# Altium PCB PCB (aXe-TP430s in Konflikt stehende Kopie 2017-02-18).PcbDoc (part 1 of 2)
Units mil, origin at the board's own origin, x right, y up, seen from the top; angles counter-clockwise.
Board outline 4576.96 x 3710.82 mil, 4 copper layers (GTL, GL2, GL3, GBL), stack 60.753 mil thick; 165 components, 125 nets, 609 pads, 203 vias.
Unrouted connection lines stored in the file: 36.
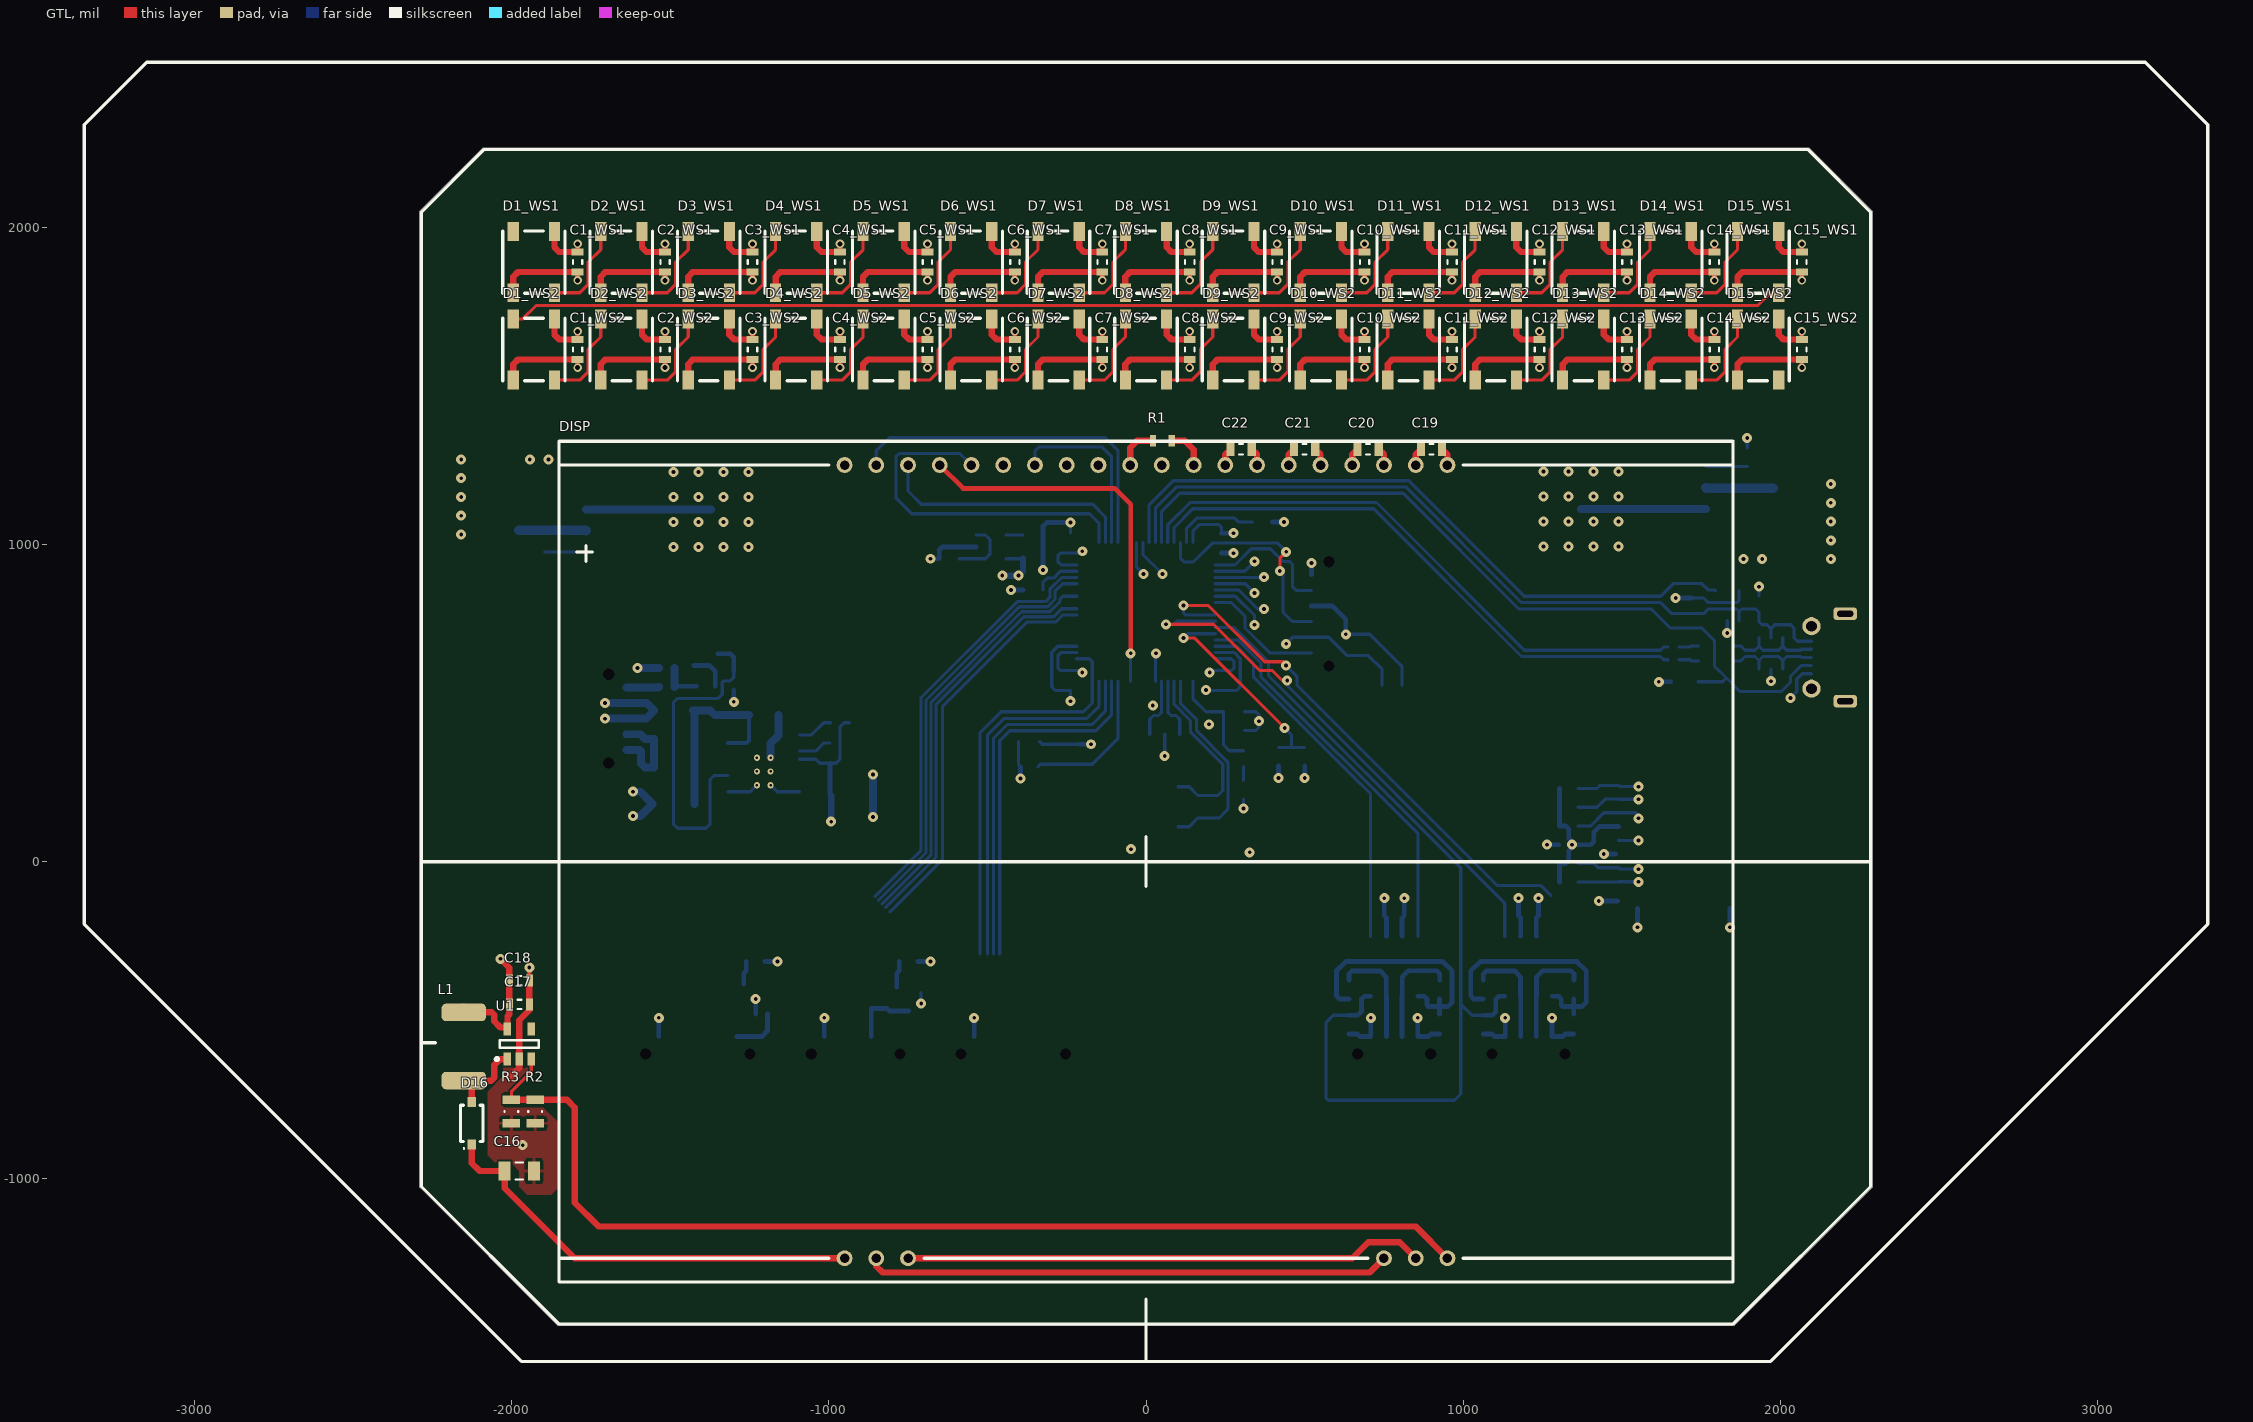
[diagram p0: GTL view]
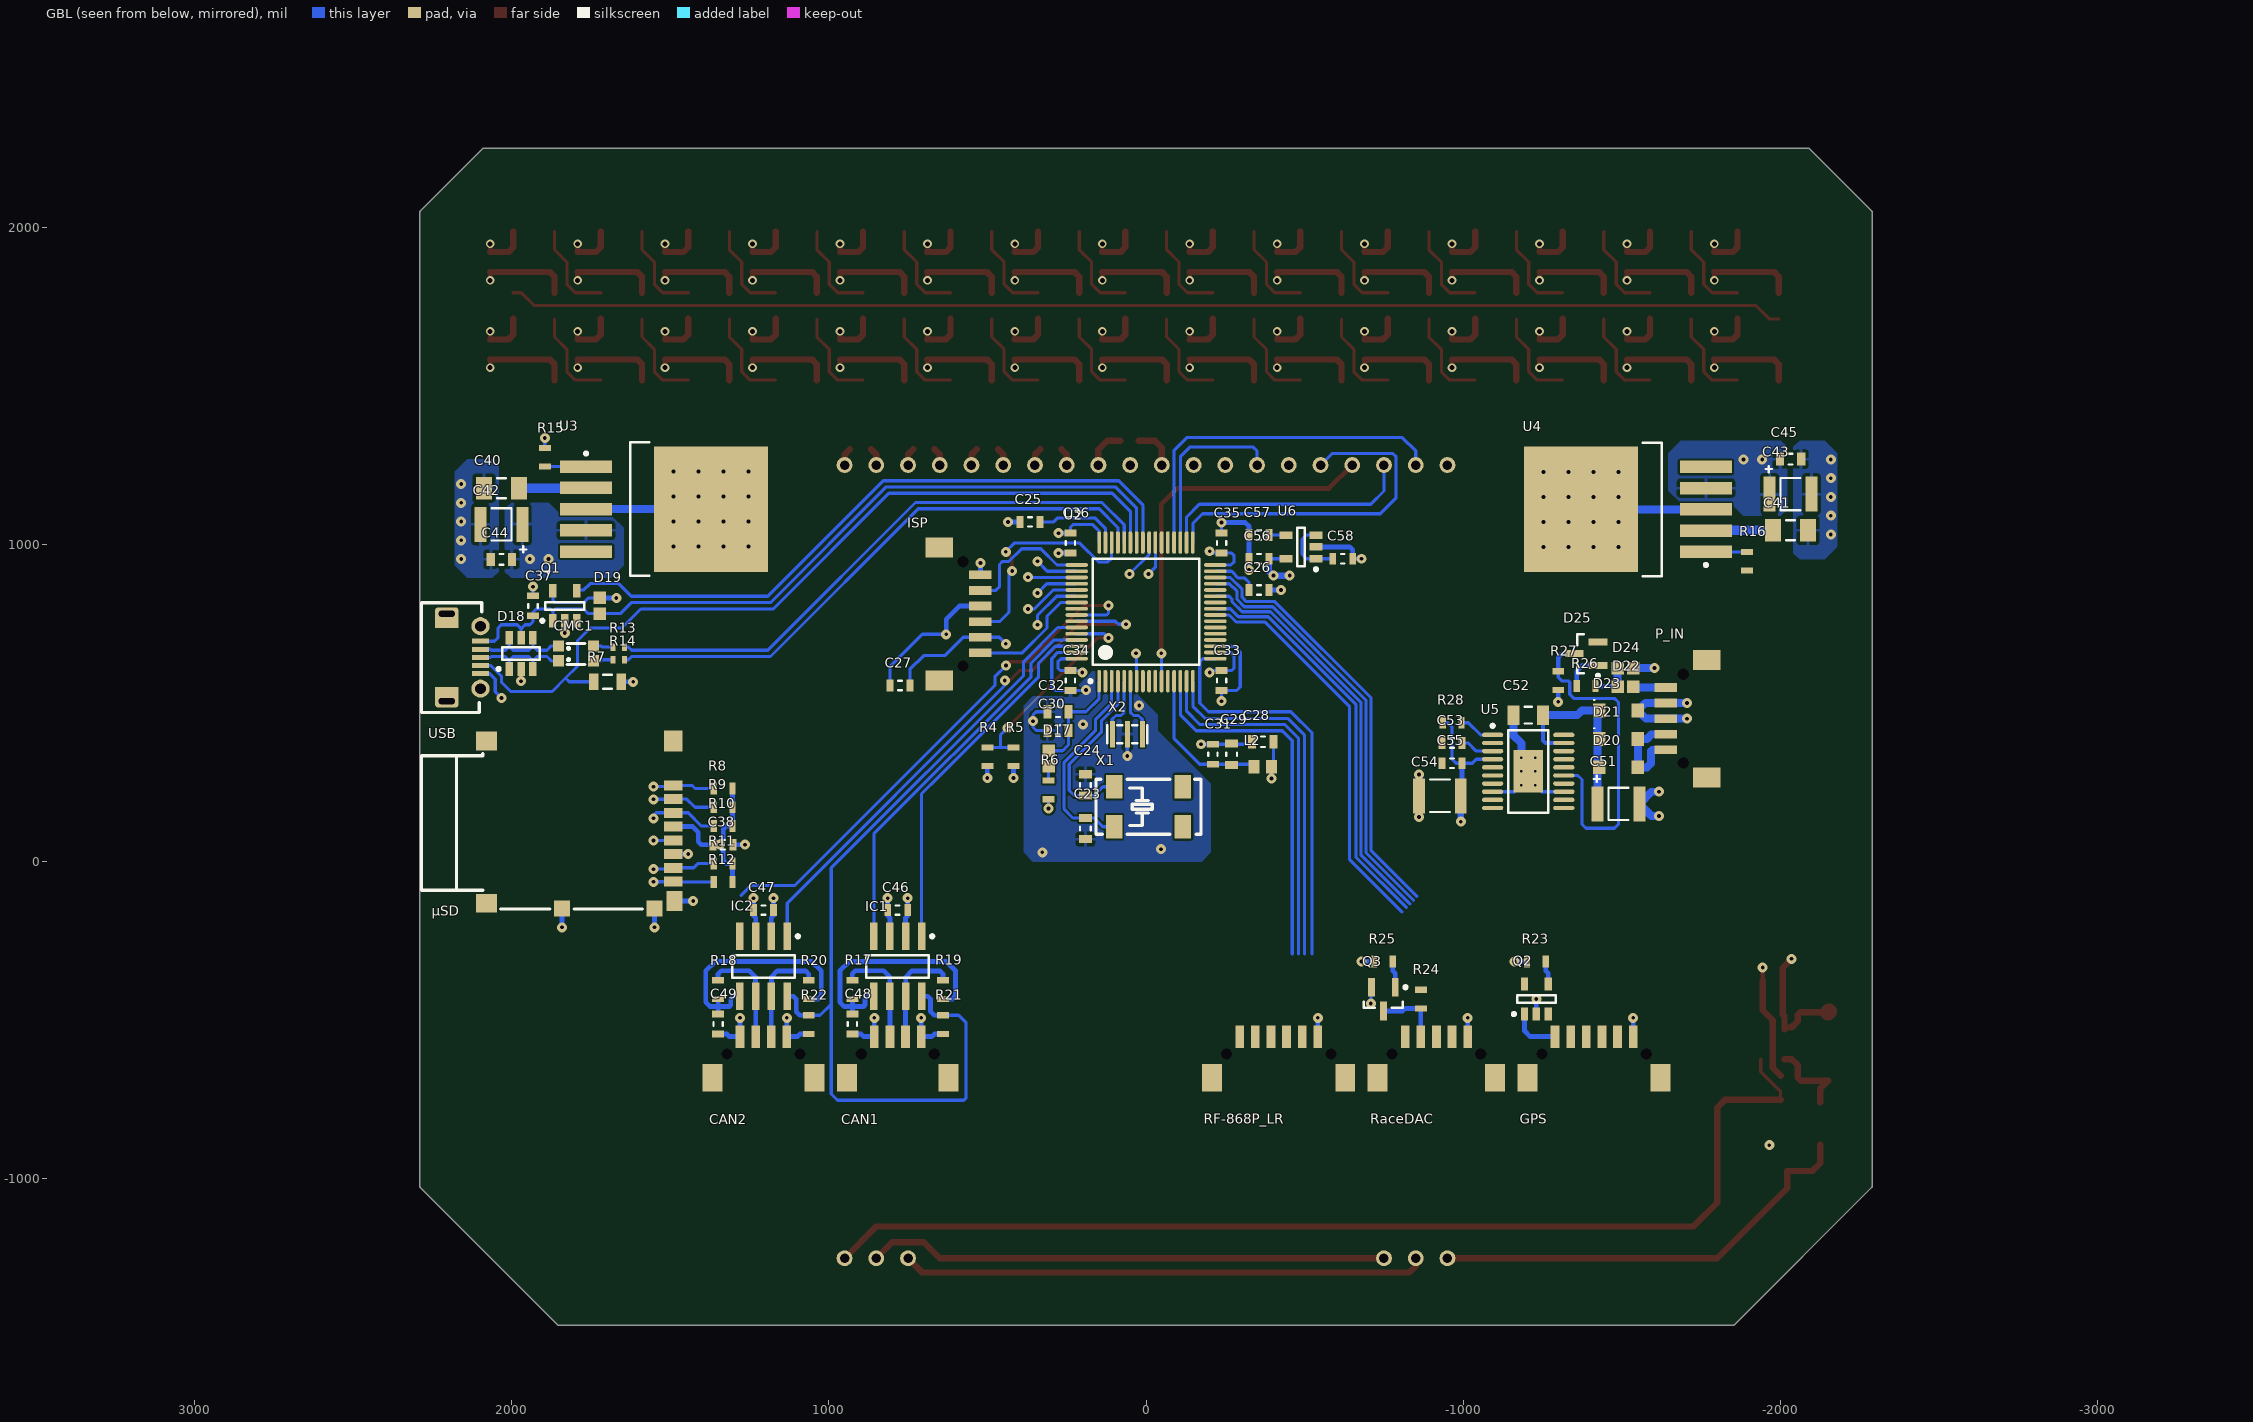
[diagram p1: GBL view, seen from below]
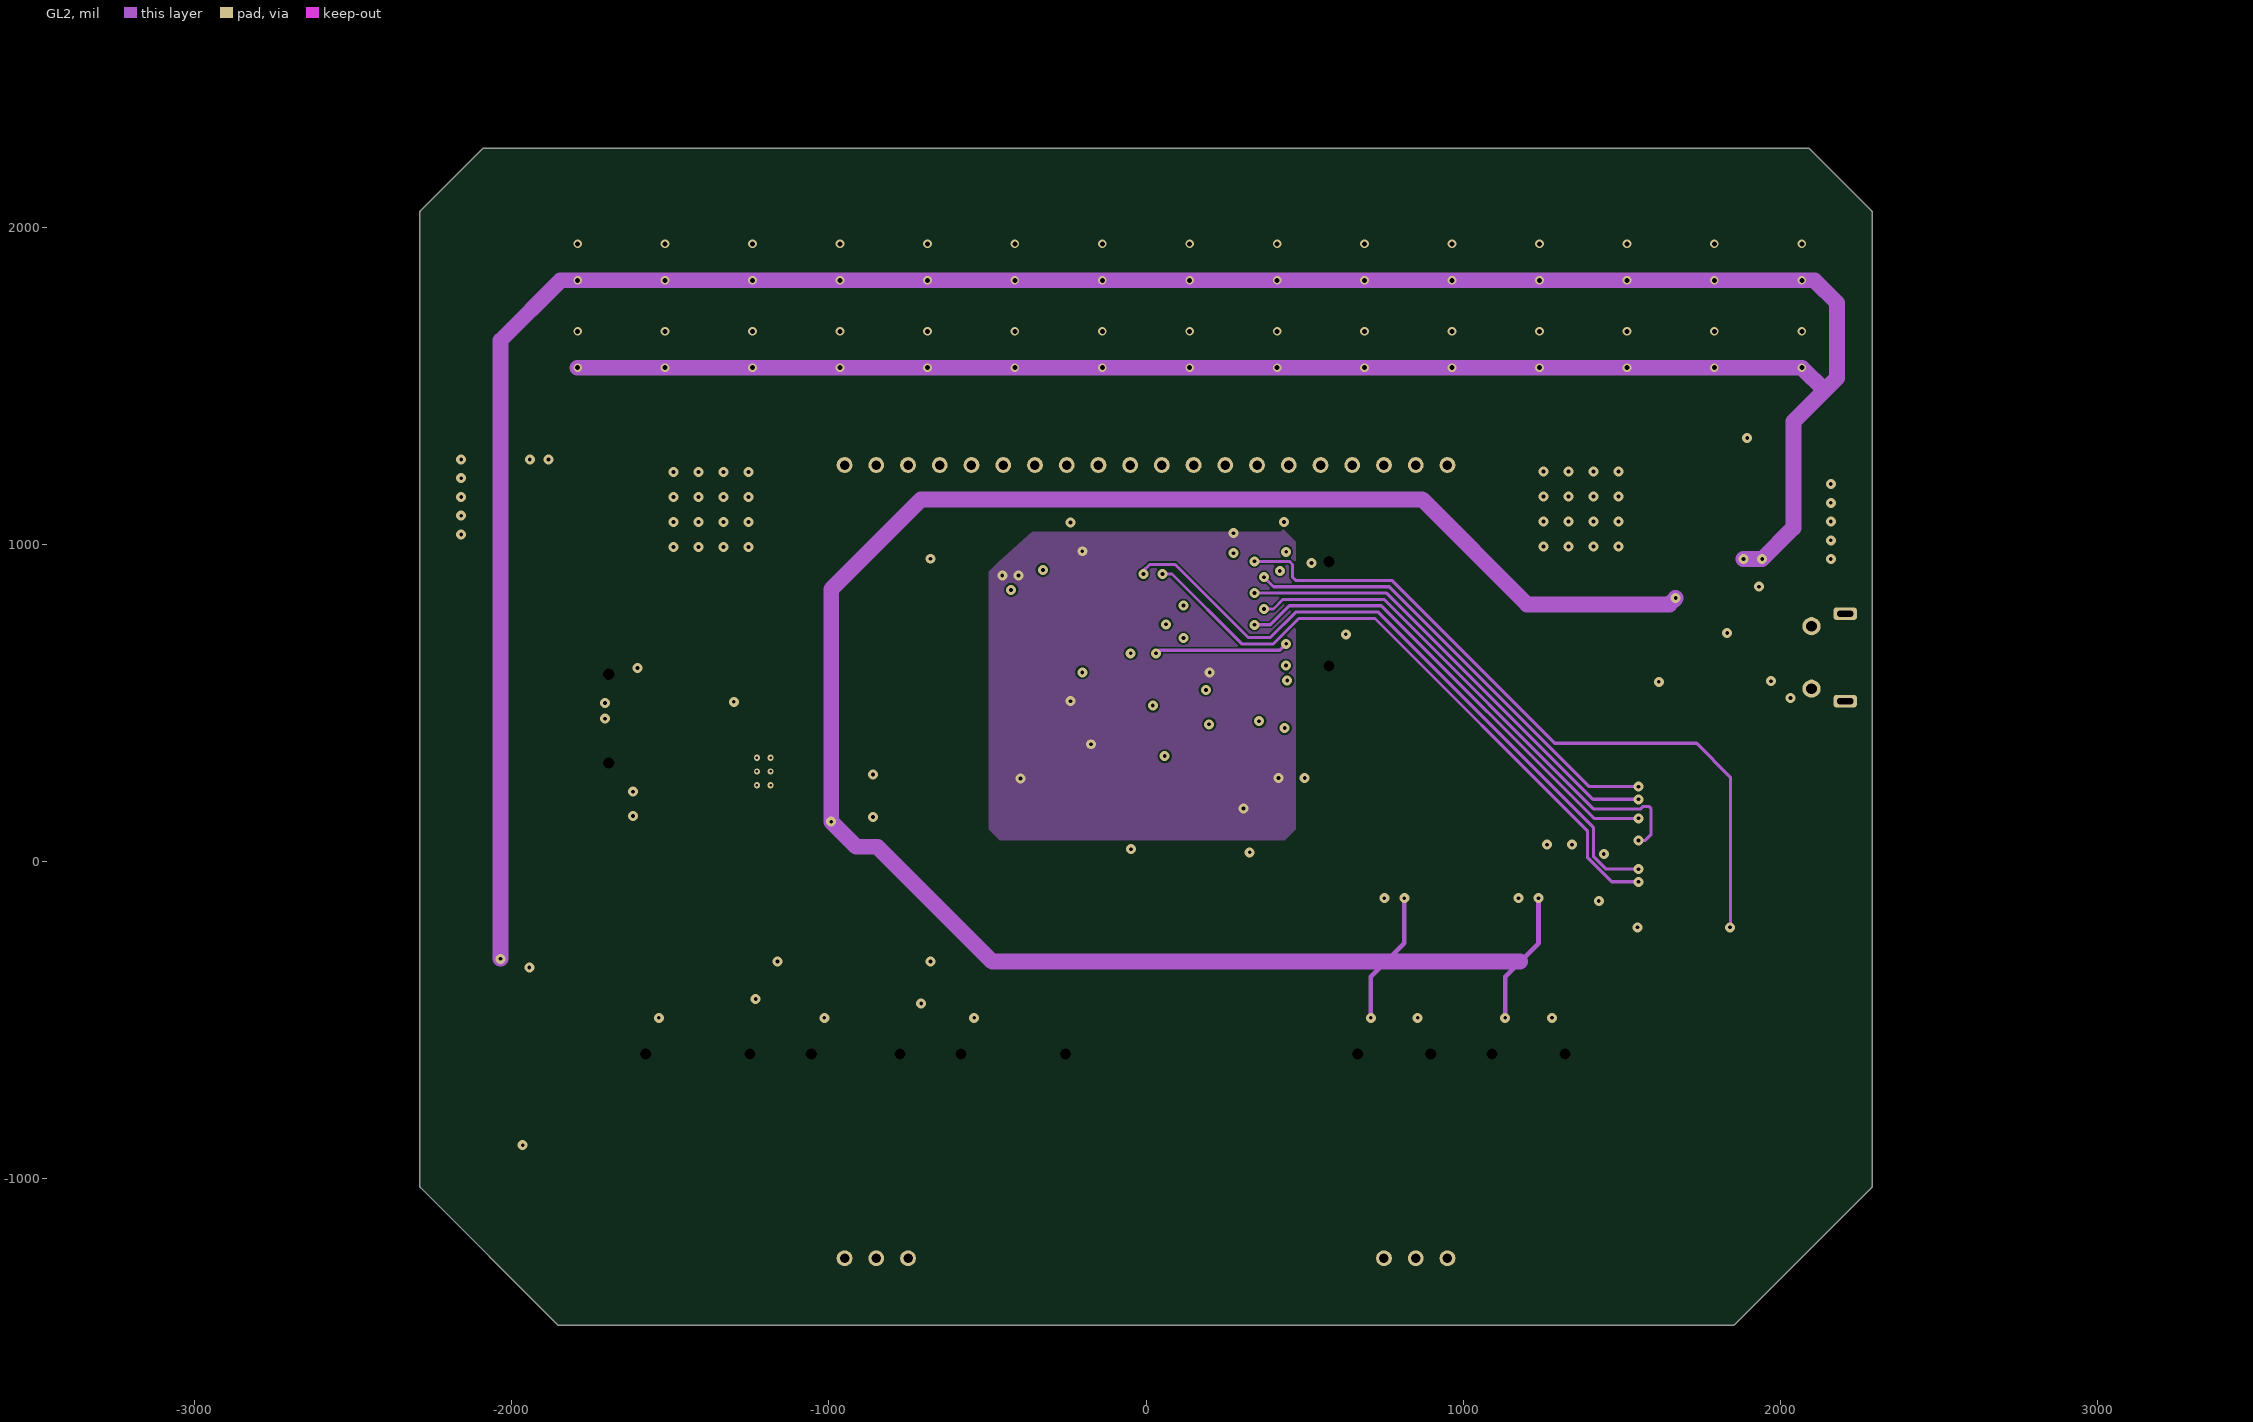
[diagram p2: GL2]
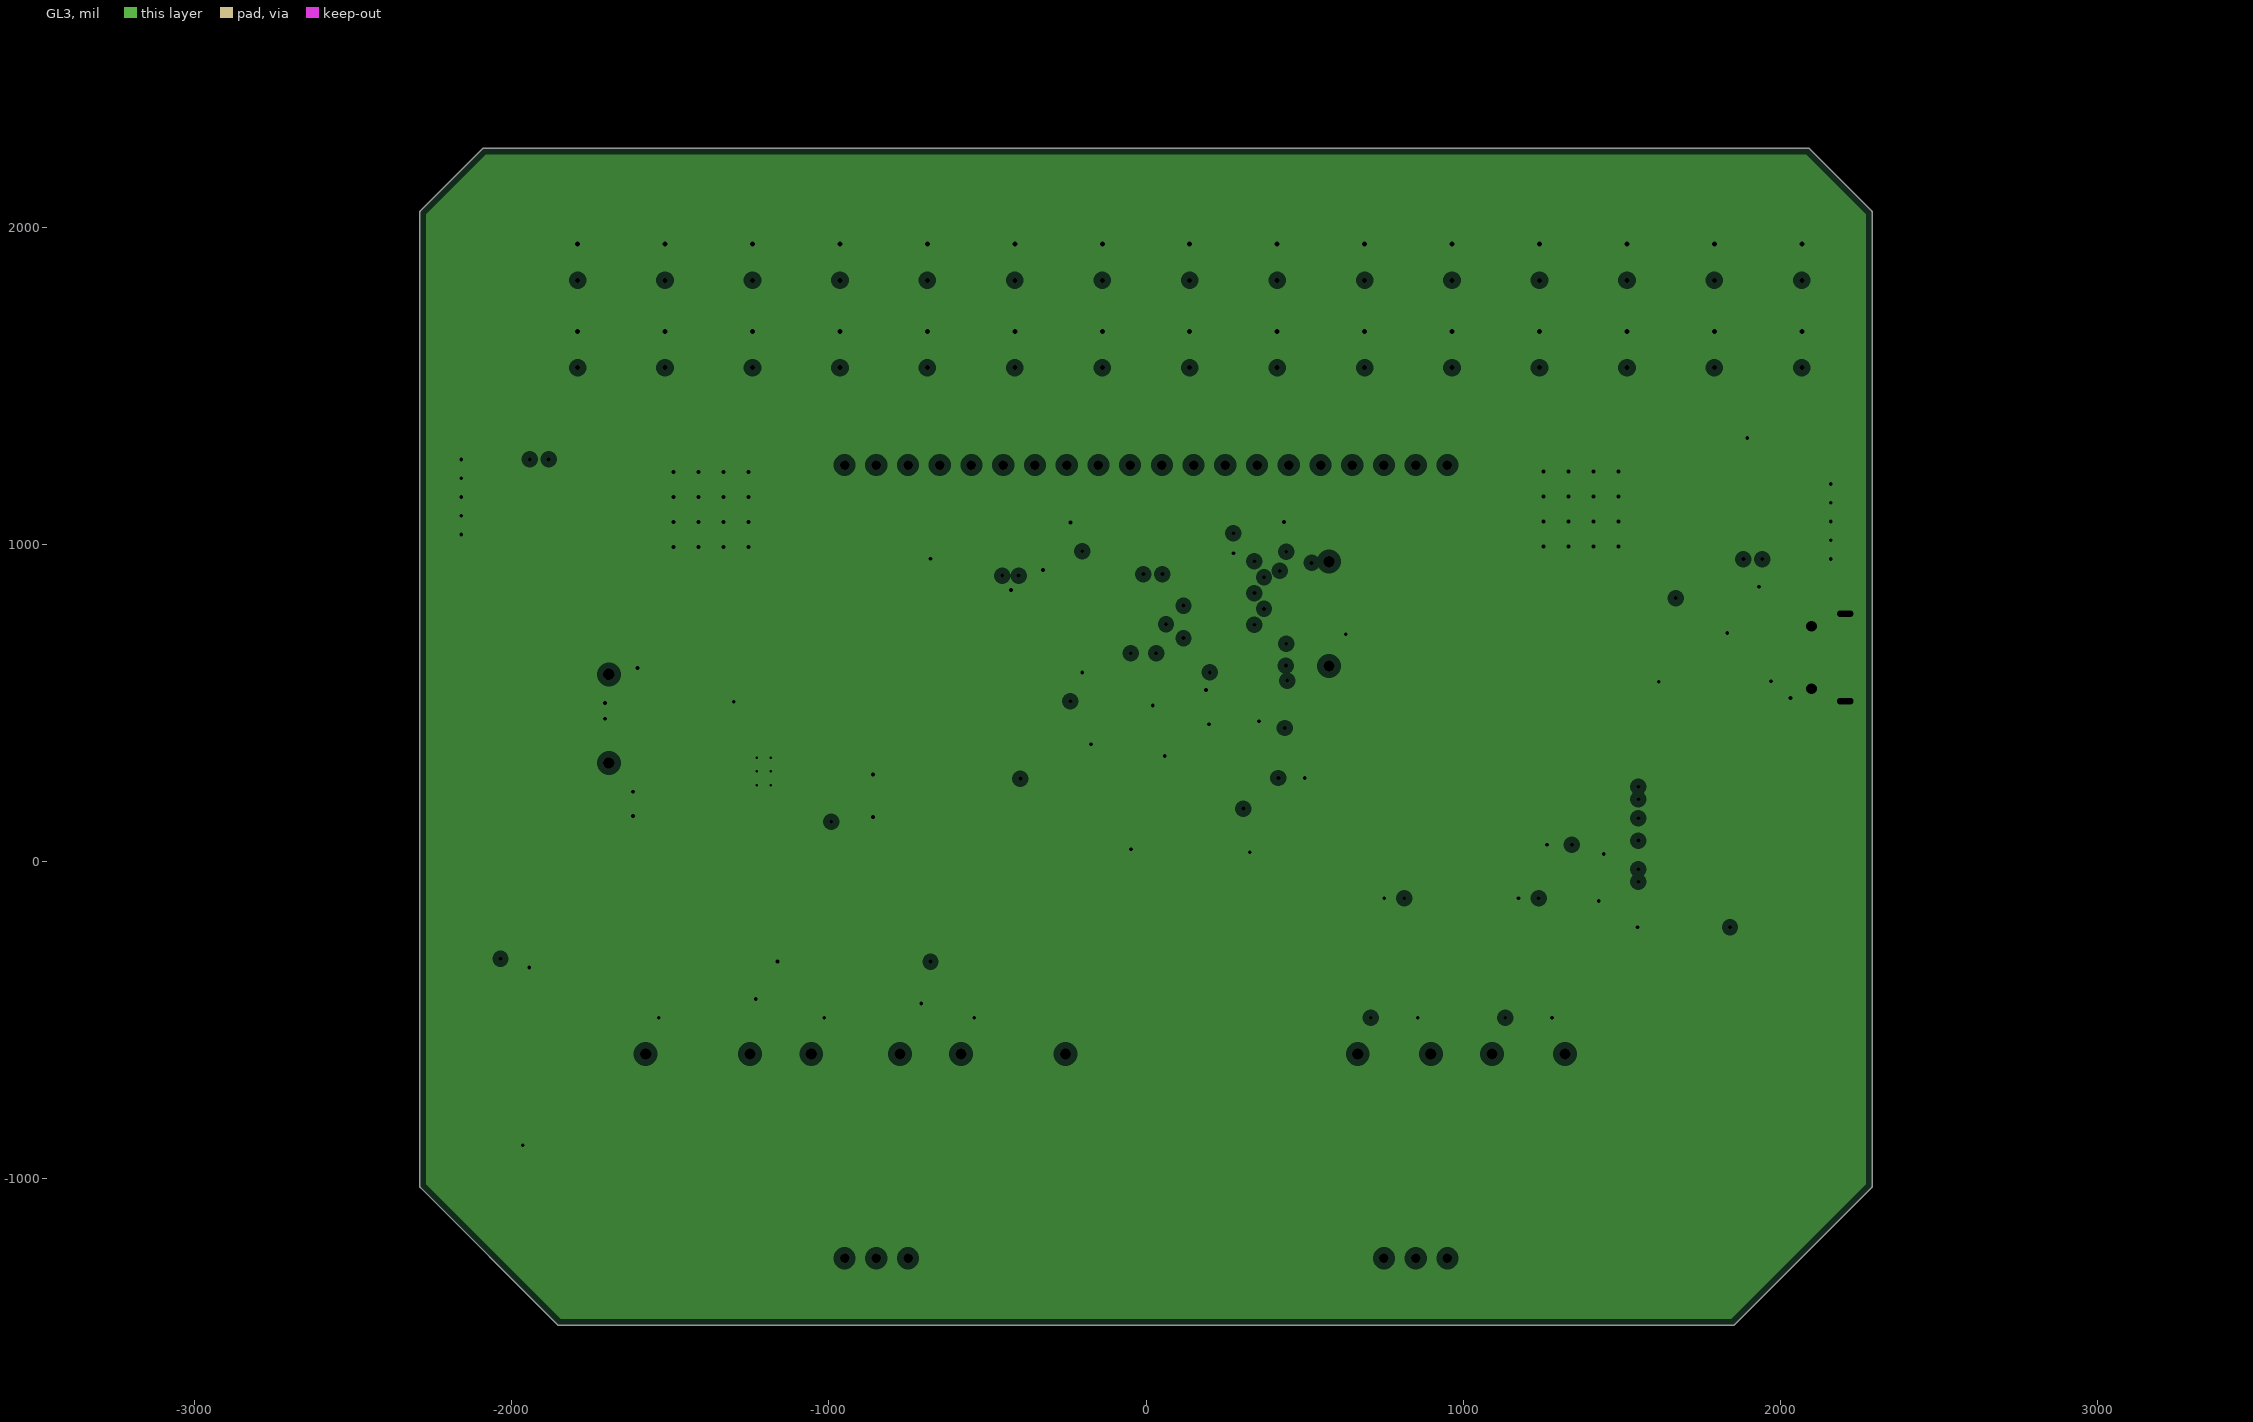
[diagram p3: GL3, clearances drawn from the general rule]
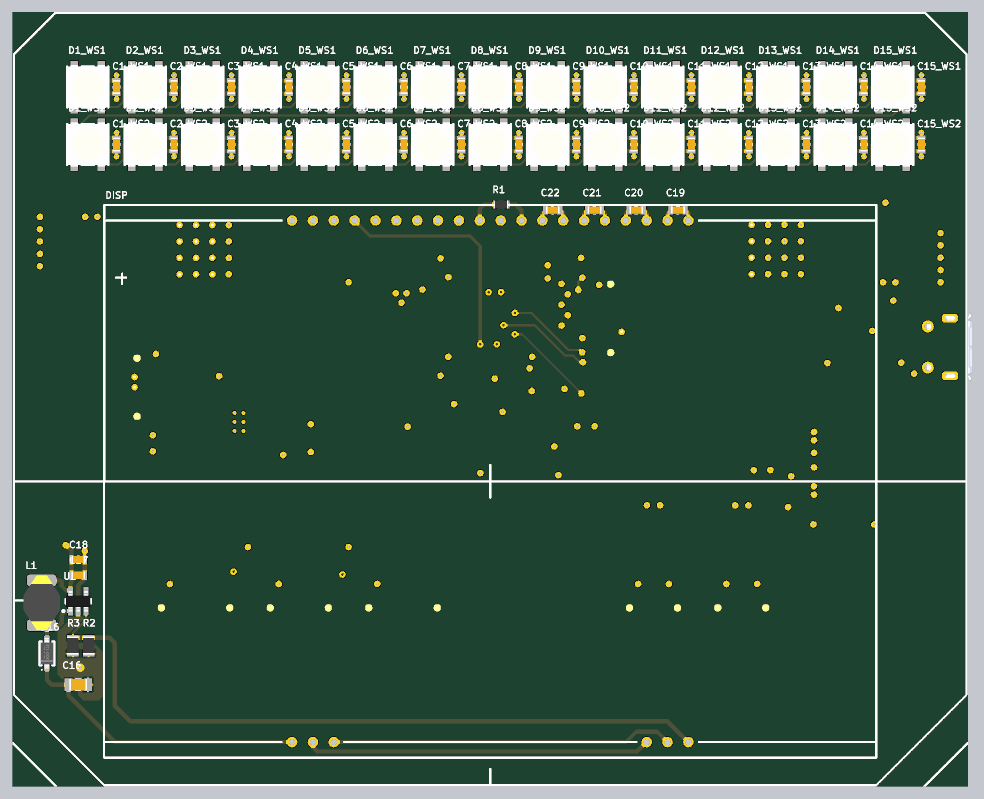
[diagram p5: 3D render of the assembled board from above, using the file's embedded part models]
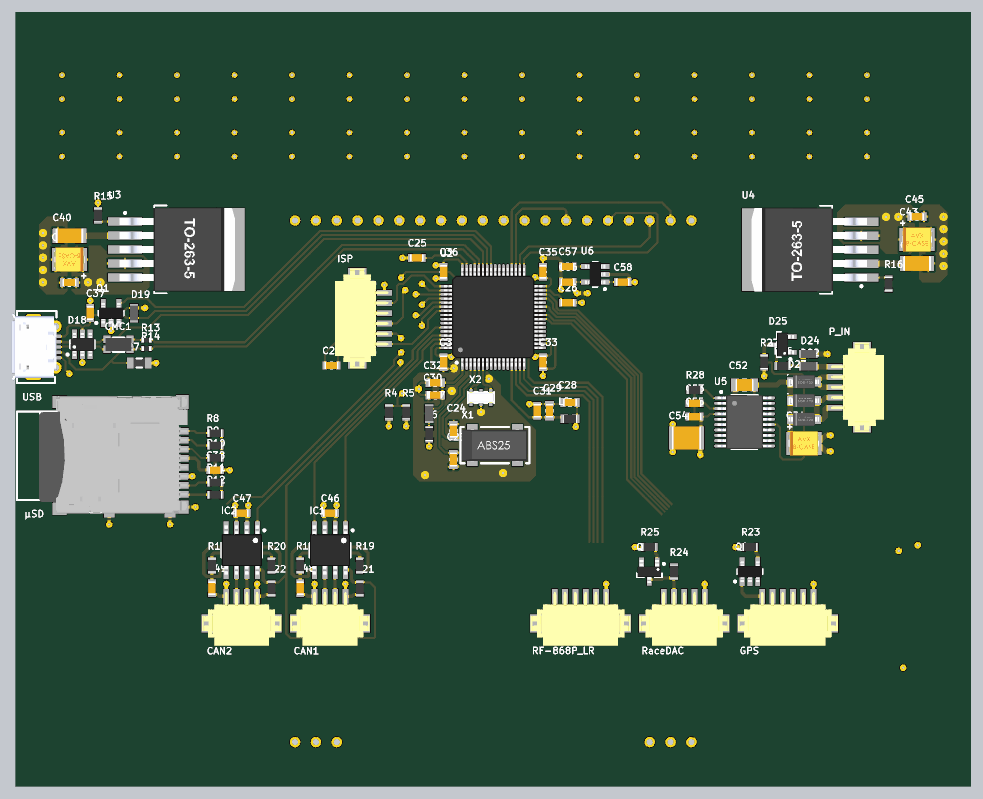
[diagram p6: 3D render of the assembled board from below, using the file's embedded part models]

## Layer stack, top to bottom
GTS: solder mask 0.4, Solder Resist, Dk 3.5
GTL: signal copper 1.4
Dielectric 1: core 7.874, FR-4, Dk 4.2
GL2: signal copper 1.4173
Dielectric 4: prepreg 39.3701, Dk 4.2
GL3: plane copper 1.4173, net GND
Dielectric 3: core 7.874, Dk 4.2
GBL: signal copper 1.4
GBS: solder mask 0.4, Solder Resist, Dk 3.5

## Board outline
-2286.99,-1027.18 cw(c-2283.46,-1023.62) -2288.48,-1023.62 -2288.48,2047.24 cw(c-2283.46,2047.24) -2286.99,2050.81 -2287.01,2050.79 -2090.16,2247.64 -2090.18,2247.62 cw(c-2086.61,2244.09) -2086.61,2249.11 2086.61,2249.11 cw(c2086.61,2244.09) 2090.18,2247.62 2090.16,2247.64 2287.01,2050.79 2286.99,2050.81 cw(c2283.46,2047.24) 2288.48,2047.24 2288.48,-1023.62 cw(c2283.46,-1023.62) 2286.99,-1027.18 2287.01,-1027.17 1853.94,-1460.24 1853.96,-1460.22 cw(c1850.39,-1456.69) 1850.39,-1461.71 -1850.39,-1461.71 cw(c-1850.39,-1456.69) -1853.96,-1460.22 -1853.94,-1460.24

## Design rules (kind name [scope] priority, off if disabled: settings)
Clearance [All] p1: gap=6 ignorepadtopadclearanceinfootprint=FALSE
DiffPairsRouting [All] p1: maxlimit=10 minlimit=10 mostfreqgap=10 toplayer_minwidth=10 toplayer_maxwidth=15 toplayer_prefwidth=15 midlayer1_minwidth=10 midlayer1_maxwidth=15 midlayer1_prefwidth=15 bottomlayer_minwidth=10 bottomlayer_maxwidth=15 bottomlayer_prefwidth=15 maxuncoupledlength=500
HoleSize [All] p1: absolutevalues=TRUE maxlimit=248.03 minlimit=11.81 maxpercent=80.000 minpercent=20.000
PlaneClearance [All] p1: clearance=20
PlaneConnect [All] p1: planeconnectstyle=Relief reliefexpansion=20 reliefentries=4 reliefconductorwidth=10 reliefairgap=10
PolygonConnect PolygonConnect_VIA [IsPolygon vs IsVia] p1: connectstyle=Direct reliefconductorwidth=10 reliefentries=4 polygonreliefangle="90 Angle" airgapwidth=10
PolygonConnect [All] p2: connectstyle=Relief reliefconductorwidth=10 reliefentries=4 polygonreliefangle="90 Angle" airgapwidth=10
RoutingVias [All] p1: holewidth=11.81 width=31.5 viastyle="Through Hole" minholewidth=11.81 minwidth=23.62 maxholewidth=248.03 maxwidth=259.84
SolderMaskExpansion [All] p1: expansion=4
Width [All] p1: maxlimit=50 minlimit=6 preferedwidth=10 minimp=50.000000 maximp=50.000000 favimp=50.000000
26 further rules are at their usual default settings.

## Classes and differential pairs
component class U_RDAC: Q3 R24 R25 RaceDAC
component class U_Telemetry: RF-868P_LR
component class U_Power: C40 C41 C42 C43 C44 C45 C51 C52 C53 C54 C55 C56 C57 C58 D20 D21 D22 D23 D24 D25 P_IN R15 R16 R26 R27 R28 U3 U4 U5 U6
component class U_GPS: GPS Q2 R23
component class U_CAN: C46 C47 C48 C49 CAN1 CAN2 IC1 IC2 R17 R18 R19 R20 R21 R22
channel class WS2812B: WS1 WS2 WS3
component class WS1: C1_WS1 C2_WS1 C3_WS1 C4_WS1 C5_WS1 C6_WS1 C7_WS1 C8_WS1 C9_WS1 C10_WS1 C11_WS1 C12_WS1 C13_WS1 C14_WS1 C15_WS1 D1_WS1 D2_WS1 D3_WS1 D4_WS1 D5_WS1 D6_WS1 D7_WS1 D8_WS1 D9_WS1 D10_WS1 D11_WS1 D12_WS1 D13_WS1 D14_WS1 D15_WS1
component class WS2: C1_WS2 C2_WS2 C3_WS2 C4_WS2 C5_WS2 C6_WS2 C7_WS2 C8_WS2 C9_WS2 C10_WS2 C11_WS2 C12_WS2 C13_WS2 C14_WS2 C15_WS2 D1_WS2 D2_WS2 D3_WS2 D4_WS2 D5_WS2 D6_WS2 D7_WS2 D8_WS2 D9_WS2 D10_WS2 D11_WS2 D12_WS2 D13_WS2 D14_WS2 D15_WS2
component class U_Display: C16 C17 C18 C19 C20 C21 C22 D16 DISP L1 R1 R2 R3 U1
component class U_Microcontroller: C23 C24 C25 C26 C27 C28 C29 C30 C31 C32 C33 C34 C35 C36 C37 C38 CMC1 D17 D18 D19 ISP L2 Q1 R4 R5 R6 R7 R8 R9 R10 R11 R12 R13 R14 U2 USB X1 X2 µSD
differential pair USB_D: +USB_D_P -USB_D_N
differential pair USB_D2: +USB_D2_P -USB_D2_N
differential pair USB_D1: +USB_D1_P -USB_D1_N
